# Altium PCB Copy of PCB1.PcbDoc (part 3 of 3) (continued)
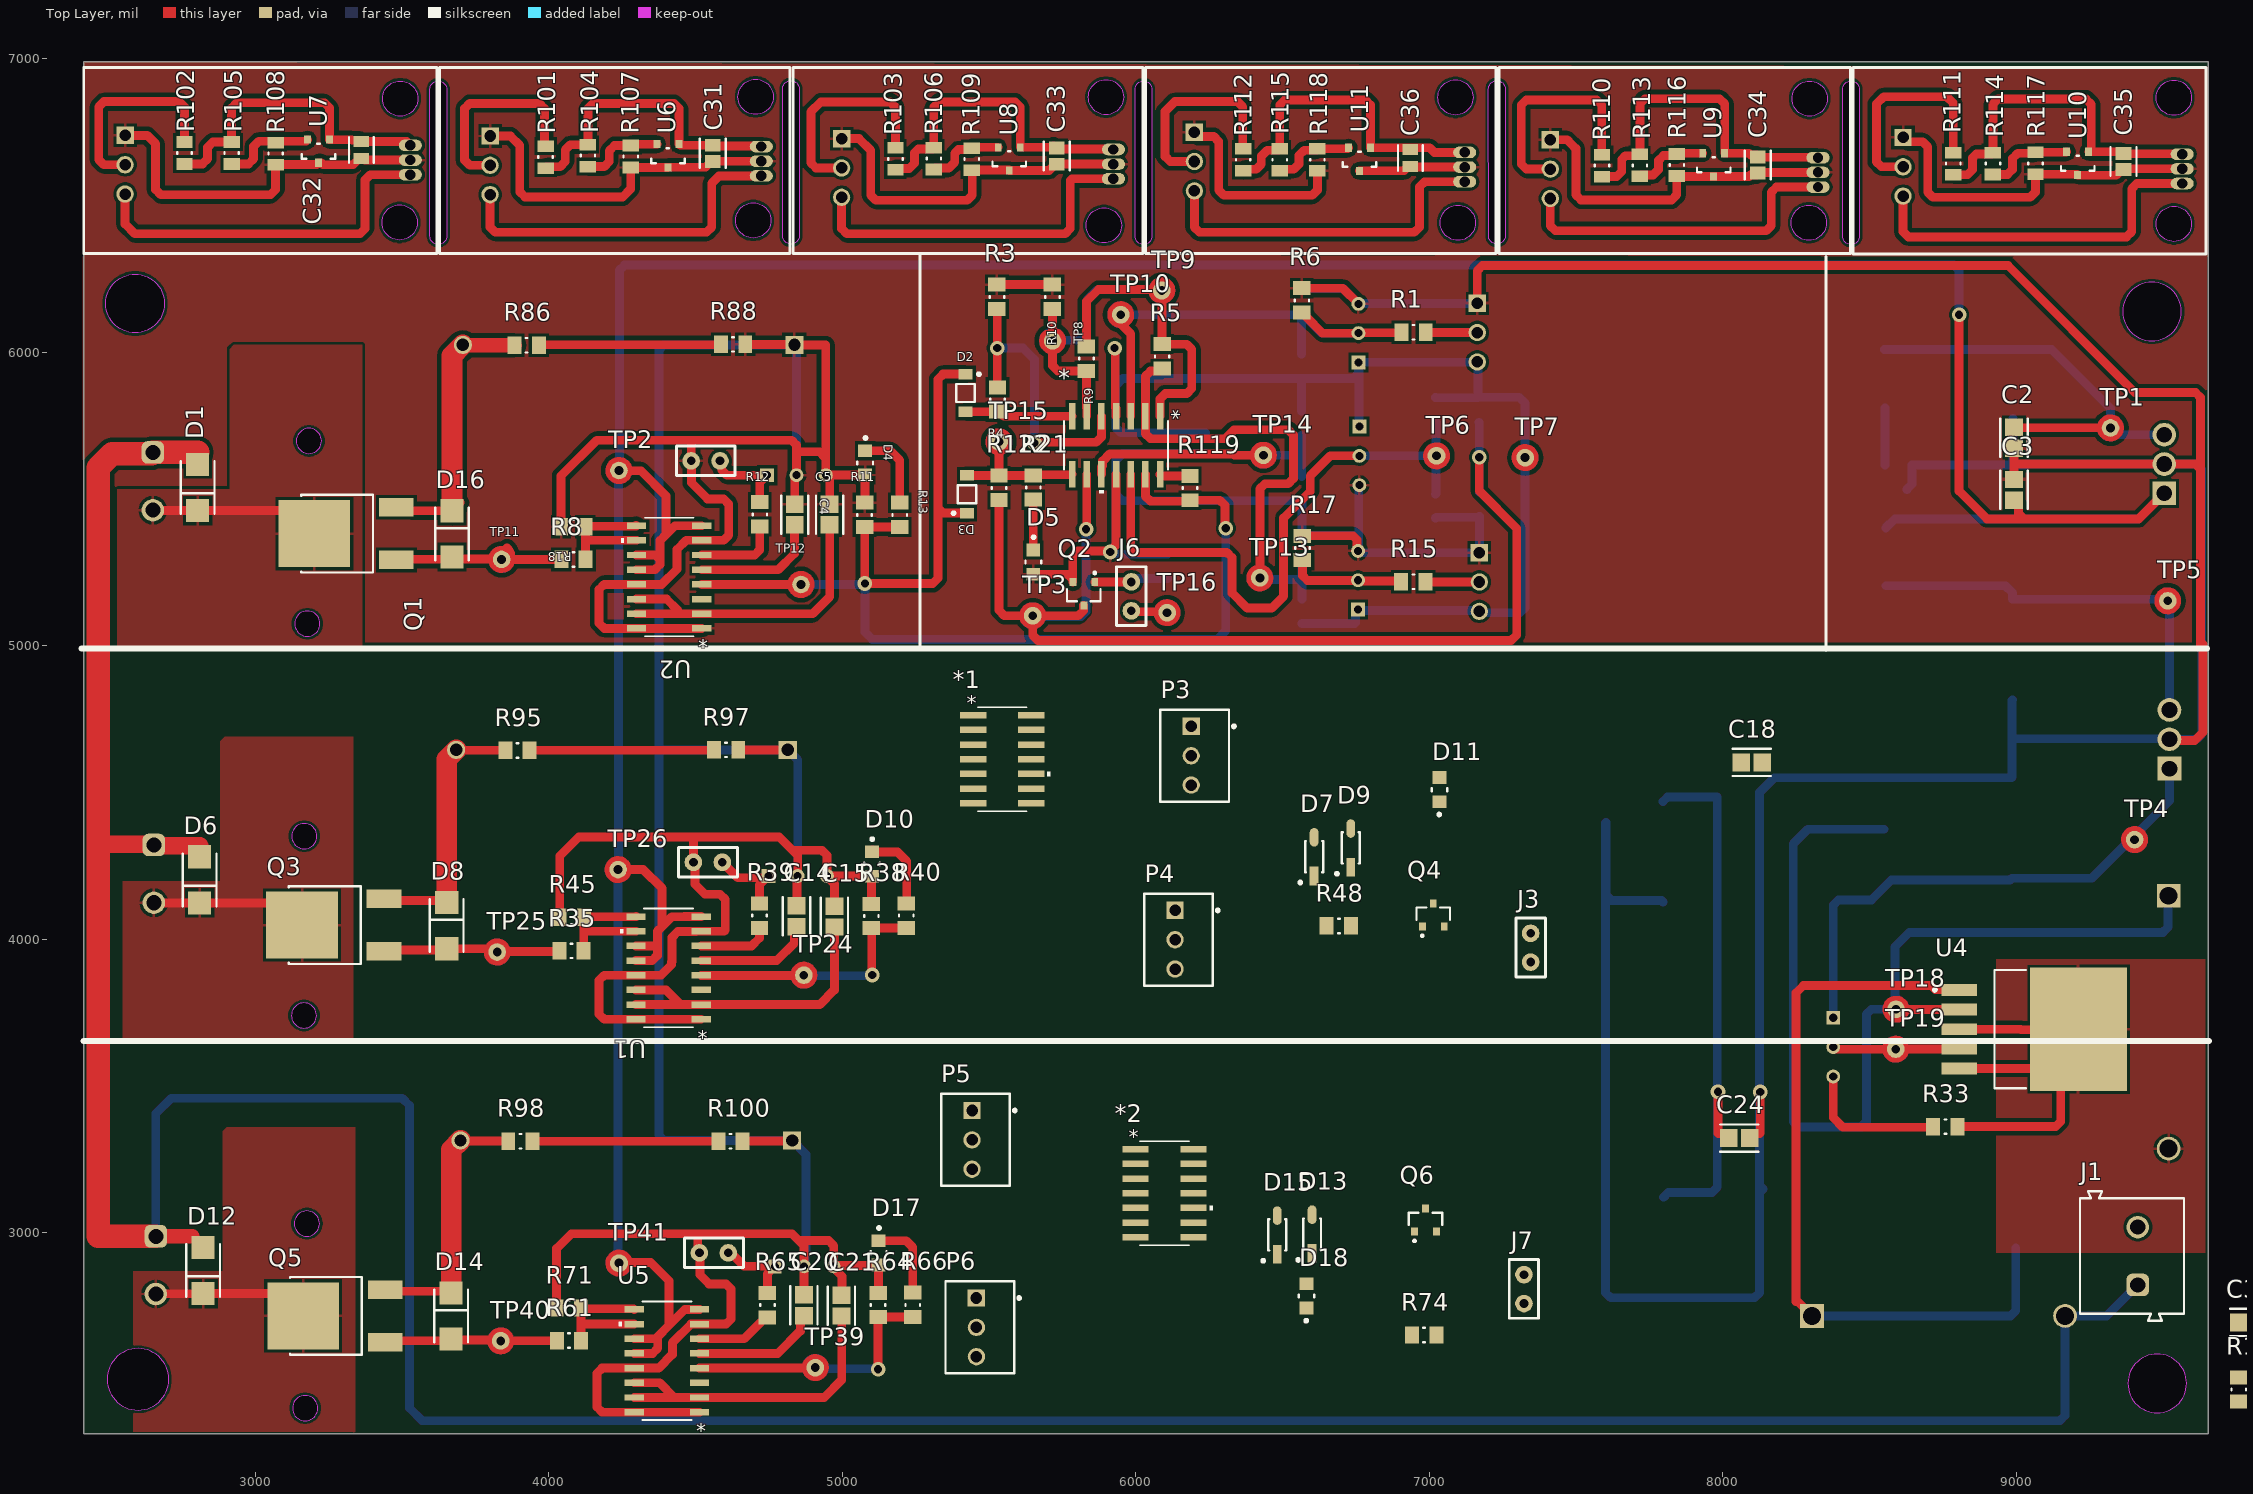
[diagram p0: Top Layer view]
## Nets (pads, with @x,y where several pads share a name; then routed paths per layer and width w, separated by ;. In a path a pad name is that pad's centre, name@x,y a point inside that pad or via, vN(x,y) a via of type N, cw(c..) or ccw(c..) an arc to the next point about the centre after c; other vN are vias at no path point) (continued)
  Top Layer w30: R101.1@3989,6627.56 3993.81,6632.38 4038.43,6632.38 4056,6649.95 4056,6689.86 4073.57,6707.44 R104.1@4133,6707.44 4133,6830.43 4150.57,6848 4426.43,6848 4444,6830.43 4444,6710 4448.41,6705.59 C31.2@4559,6705.59 4561.8,6702.79 4722.21,6702.79 HS1.1@4724,6701
NetC32_2: C32.2 HS2.1 R102.1 R105.1 U7.1 | length 1071.8
  Top Layer w30: R102.1@2758,6641.56 2819.43,6641.56 2837,6659.14 2837,6698.86 2854.57,6716.44 R105.1@2919,6716.44 2919,6832.43 2936.57,6850 3235.43,6850 3253,6832.43 3253,6724.97 U7.1@3252.4,6724.37 3327.63,6724.37 3329.77,6722.23 3357.3,6722.23 C32.2@3361,6718.53 3514.47,6718.53 HS2.1@3528,6705
NetC33_2: C33.2 HS3.1 R103.1 R106.1 U8.1 | length 1099.3
  Top Layer w30: R103.1@5181,6621.56 5185.81,6626.38 5228.43,6626.38 5246,6643.95 5246,6679.86 5258.76,6692.62 5307.19,6692.62 R106.1@5312,6697.44 5312,6835.43 5329.57,6853 5588.83,6853 5606.4,6835.43 U8.1@5606.4,6698.37 C33.2@5728.63,6698.37 ; C33.2@5719.3,6702.74 5726.05,6696 C33.2@5731,6696 5734.21,6692.79 5922.21,6692.79 HS3.1@5924,6691
NetC34_2: C34.2 HS4.1 R110.1 R113.1 U9.1 | length 1152.5
  Top Layer w30: R110.1@7589,6598.56 7638.43,6598.56 7656,6616.14 7656,6656.86 7668.76,6669.62 7713.19,6669.62 R113.1@7718,6674.44 7718,6846.43 7735.57,6864 7989.43,6864 8007,6846.43 U9.1@8007,6678 8090.73,6678 8096.39,6672.33 8113.26,6672.33 C34.2@8120,6665.59 8121.29,6664.29 8323.71,6664.29 HS4.1@8325,6663
NetC35_2: C35.2 HS5.1 R111.1 R114.1 U10.1 | length 1192.1
  Top Layer w30: R111.1@8786,6605 8834.43,6605 8852,6622.57 8852,6662.86 8864.76,6675.62 8916.19,6675.62 R114.1@8921,6680.44 8921,6845.43 8938.57,6863 9238.43,6863 9256,6845.43 9256,6691.97 U10.1@9247.4,6683.37 9360.22,6683.37 C35.2@9366,6677.59 9367.29,6676.29 9564.71,6676.29 HS5.1@9566,6675
NetC36_2: C36.2 HS6.1 R112.1 R115.1 U11.1 | length 1117.7
  Top Layer w30: R112.1@6366,6618.56 6370.81,6623.38 6410.43,6623.38 6428,6640.95 6428,6668.43 6448.2,6688.62 6486.19,6688.62 R115.1@6491,6693.44 6491,6842.43 6508.57,6860 6782.43,6860 6800,6842.43 U11.1@6800,6697 7001.82,6697 7017.82,6681 HS6.1@7121,6681
NetC37_2: C37.2 P8.4 R86.1 R88.1 | length 622.1
  Top Layer w30: R86.1@3965.74,6024 3967.24,6025.5 4585.13,6025.5 R88.1@4586.63,6027
NetC38_2: C38.2 P8.5 R95.1 R97.1 | length 628.7
  Top Layer w30: R95.1@3934.74,4643 3935.74,4644 4561.63,4644 R97.1@4562.63,4645
NetC39_2: C39.2 P8.6 R98.1 R100.1 | length 633.3
  Top Layer w30: R98.1@3944.37,3311 R100.1@4577.63,3311
NetCR1_1: CR1.1 L3.1 TP18.1 U4.2 | length 3490
  Top Layer w30: TP18.1@8591,3761 8591.5,3760.5 8621.92,3760.5 8806.19,3760.5 U4.2@8806.69,3760.01
  Bottom Layer w30: L3.1@8551,4374.43 8290.43,4374.43 8241,4325 8241,3377.57 8258.57,3360 8472.43,3360 8490,3377.57 8490,3743.43 8507.57,3761 8560.1,3761 TP18.1@8591,3761 ; 8604.02,3789.02 8587,3806.05 8587,3973 8637,4023 9500.43,4023 9518,4040.57 9518,4146 CR1.1@9520,4148
NetD1_1: D1.1 J4.2 Q1.4 | length 583.3
  Top Layer w30: J4.2@2650.69,5461.58 2651.35,5460.92 2802.34,5460.92 D1.1@2803,5460.26 3122.74,5460.26 Q1.4@3201,5382
NetD4_1: D4.1 R13.1 | length 276
  Top Layer w30: D4.1@5078,5664.34 5163.66,5664.34 5196,5632 R13.1@5196,5487.37
NetD5_1: D5.1 R21.1 | length 171.3
  Top Layer w30: D5.1@5651,5326.34 R21.1@5651,5497.63
NetD6_1: D6.1 J2.2 Q3.4 | length 536.5
  Top Layer w30: J2.2@2654,4124 2654.37,4123.63 2809.63,4123.63 D6.1@2810,4123.26 3083.74,4123.26 Q3.4@3159,4048
NetD8_1: D8.1 Q3.3 R95.2 R96.2 | length 938.5
  Top Layer w30: Q3.3@3438.13,4137.96 3444.74,4131.35 D8.1@3645.39,4131.35 ; D8.1@3652,4124.74 D8.1@3652,4155.24 ; R96.2@3684,4645 3685,4644 3851,4644 R95.2@3852,4643
  Top Layer w70: D8.1@3652,4129.11 3652,4613 R96.2@3684,4645
NetD8_2: D8.2 Q3.1 R35.1 TP25.1 | length 574.2
  Top Layer w30: Q3.1@3438.13,3958.04 3442.74,3962.65 3647.39,3962.65 D8.2@3652,3967.26 3795.2,3967.26 ; TP25.1@3824,3956 3826,3958 3854.86,3958 3854.93,3958 4033.63,3958 R35.1@4035.63,3960
NetD10_1: D10.1 R40.1 | length 278.2
  Top Layer w30: D10.1@5101,4297.34 5187.66,4297.34 5220,4265 5220,4123.37 R40.1@5218,4121.37 ; D10.1@5103,4302.62 D10.1@5103,4303.99
NetD11_1: D11.1 R48.1
NetD12_1: D12.1 J5.2 Q5.4 | length 534.8
  Top Layer w30: J5.2@2660.85,2790.42 J5.2@2660.69,2790.58 2661.52,2791.42 2821.16,2791.42 D12.1@2822,2792.26 3086.74,2792.26 Q5.4@3163,2716
NetD14_1: D14.1 Q5.3 R98.2 R99.2 | length 955.6
  Top Layer w30: Q5.3@3442.13,2805.96 3447.74,2800.35 3661.39,2800.35 D14.1@3667,2794.74 D14.1@3667,2828.81 ; R99.2@3699,3314 3700.5,3312.5 3860.13,3312.5 R98.2@3861.63,3311
  Top Layer w70: D14.1@3667,2799.11 3667,3282 R99.2@3699,3314
NetD14_2: D14.2 Q5.1 R61.1 TP40.1 | length 560.7
  Top Layer w30: Q5.1@3442.13,2626.04 3447.74,2631.65 3661.39,2631.65 D14.2@3667,2637.26 3670.13,2634.13 3805.23,2634.13 ; v1(3836,2631) 3836.5,2631.5 3866.92,2631.5 4026.76,2631.5 R61.1@4027.26,2632
NetD16_1: D16.1 Q1.3 R86.2 R87.2 | length 992.1
  Top Layer w30: Q1.3@3480.13,5471.96 3488.74,5463.35 Q1.3@3529.26,5463.35 ; Q1.3@3529.26,5459.74 D16.1@3670,5459.74 D16.1@3698,5487.74 ; R87.2@3705.94,6024 R87.2@3707,6025
  Top Layer w50: R87.2@3705.94,6024 R86.2@3883,6024
  Top Layer w70: D16.1@3670,5459.74 3670,5988 R87.2@3707,6025
NetD16_2: D16.2 Q1.1 R8.1 TP11.1 | length 534.4
  Top Layer w30: Q1.1@3480.13,5292.04 3482.74,5294.65 3667.39,5294.65 3670,5297.26 3671.63,5295.63 3808.12,5295.63 ; TP11.1@3839,5294 3867.25,5294 3870.75,5294 R8.1@4042.63,5294
NetD17_1: D17.1 R66.1 | length 279.9
  Top Layer w30: D17.1@5124,2972.34 5217.66,2972.34 5240,2950 R66.1@5240,2795.37
NetD18_1: D18.1 R74.1
NetD19_2: D19.2 P7.4
NetD20_2: D20.2 P7.5
NetD21_2: D21.2 P7.6
NetHS1_3: HS1.3 P9.3 | length 1208.8
  Top Layer w30: P9.3@3799.81,6537 3799.81,6426.57 3817.38,6409 4537.43,6409 4555,6426.57 4555,6575.7 4580.3,6601 HS1.3@4724,6601
NetHS2_3: HS2.3 P10.3 | length 1268.1
  Top Layer w30: P10.3@2556,6539 2556,6437 2589,6404 3356.43,6404 3374,6421.57 3374,6587.43 3391.57,6605 HS2.3@3528,6605
NetHS3_3: HS3.3 P11.3 | length 1213.2
  Top Layer w30: P11.3@4997.81,6528 4997.81,6421.57 5015.38,6404 5759.43,6404 5777,6421.57 5777,6585.12 5782.88,6591 HS3.3@5924,6591
NetHS4_3: HS4.3 P12.3 | length 1140.3
  Top Layer w30: P12.3@7412.81,6524 7412.81,6431.57 7430.38,6414 8148.43,6414 8166,6431.57 8166,6545.43 8183.57,6563 HS4.3@8325,6563
NetHS5_3: HS5.3 P13.3 | length 1241.1
  Top Layer w30: P13.3@8615,6532 8615,6410.57 8632.57,6393 9376.43,6393 9394,6410.57 9394,6557.43 9411.57,6575 HS5.3@9566,6575
NetHS6_3: HS6.3 P14.3 | length 1203.3
  Top Layer w30: P14.3@6199.81,6550 6199.81,6426.57 6217.38,6409 6949.43,6409 6967,6426.57 6967,6563.43 6984.57,6581 HS6.3@7121,6581
NetJ3_2: J3.2 Q4.1 R52.2
NetJ6_2: J6.2 Q2.1 R25.2 | length 256
  Top Layer w30: Q2.1@5860.4,5216.37 5861.46,5217.43 J6.2@5985,5217.43 J6.2@5983.37,5219.06
  Bottom Layer w30: J6.2@5985,5217.43 5993.12,5217.43 6004.32,5228.63 R25.2@6109,5228.63
NetJ7_2: J7.2 Q6.1 R78.2
NetJ8_2: J8.2 R12.2 RP3.1 | length 298.3
  Top Layer w30: J8.2@4583.43,5630 4589.17,5624.26 4589.17,5598.57 4606.74,5581 RP3.1@4744,5581 4719,5556 R12.2@4719,5489
NetJ9_2: J9.2 R39.2 RP8.1 | length 279
  Top Layer w30: J9.2@4591,4262 4591.07,4262 4644.07,4209 RP8.1@4741.8,4209 ; R39.2@4718,4121.37 4718,4185.2 RP8.1@4741.8,4209 ; RP8.1@4748,4215.2 RP8.1@4741.8,4209
NetJ10_2: J10.2 R65.2 RP12.1 | length 279.2
  Top Layer w30: J10.2@4611.43,2931 4619.54,2931 4665.54,2885 RP12.1@4770,2885 4745,2860 R65.2@4745,2793.74
NetP1_2: P1.2 R1.1 | length 175.9
  Top Layer w30: R1.1@6988.37,6068 6988.87,6067.5 7163.31,6067.5 P1.2@7163.81,6067
NetP2_2: P2.2 R15.1 | length 184
  Top Layer w30: R15.1@6987.37,5218 6987.87,5217.5 7170.5,5217.5 P2.2@7171,5217
NetP3_2: P3.2 R28.1
NetP4_2: P4.2 R42.1
NetP5_2: P5.2 R55.1
NetP6_2: P6.2 R68.1
NetP9_2: P9.2 R101.2 | length 686.1
  Top Layer w30: P9.2@3799.81,6637 3730.57,6637 3713,6654.57 3713,6830.43 3730.57,6848 3967.43,6848 3985,6830.43 3985,6706.44 R101.2@3989,6702.44
NetP10_2: P10.2 R102.2 | length 703.7
  Top Layer w30: P10.2@2556,6639 2483.57,6639 2466,6656.57 2466,6836.43 2483.57,6854 2740.43,6854 2758,6836.43 R102.2@2758,6716.44
NetP11_2: P11.2 R103.2 | length 732.9
  Top Layer w30: P11.2@4997.81,6628 4910.57,6628 4893,6645.57 4893,6819 4927,6853 5163.43,6853 5181,6835.43 R103.2@5181,6697.44
NetP12_2: P12.2 R110.2 | length 764.9
  Top Layer w30: P12.2@7412.81,6624 7331.57,6624 7314,6641.57 7314,6842.43 7331.57,6860 7570.43,6860 7588,6842.43 7588,6674.44 R110.2@7589,6673.44
NetP13_2: P13.2 R111.2 | length 745.6
  Top Layer w30: P13.2@8615,6632 8541.57,6632 8524,6649.57 8524,6846 8549,6871 8764.43,6871 8786,6849.43 R111.2@8786,6679.87
NetP14_2: P14.2 R112.2 | length 689.9
  Top Layer w30: P14.2@6199.81,6650 6117.57,6650 6100,6667.57 6100,6821 6133,6854 6347.43,6854 6365,6836.43 6365,6694.44 R112.2@6366,6693.44
NetR8_2: R8.2 R18.2 U2.9 U2.10 | length 463.9
  Top Layer w30: R8.2@4125.37,5294 4124.87,5294.5 4124.87,5358 ; U2.9@4297.25,5410.5 U2.9@4298.75,5409 4296.75,5407 4126.37,5407 R18.2@4124.37,5405 4124.87,5404.5 4124.87,5358 ; U2.10@4298.75,5359 4125.87,5359 4124.87,5358
NetR12_1: R12.1 U2.6 | length 284.7
  Top Layer w30: U2.6@4521.25,5309 4701.43,5309 4719,5326.57 R12.1@4719,5406.26
NetR33_2: R33.2 RP5.3 | length 503.6
  Top Layer w30: RP5.3@8377,3532 8377,3392 8410,3359 8715.63,3359 R33.2@8717.63,3361 R33.2@8711.63,3367
NetR35_2: R35.2 R45.2 U1.9 U1.10 | length 471.2
  Top Layer w30: R35.2@4118.37,3960 4119.19,3960.81 4119.19,4026 ; U1.10@4296.75,4027 4120.19,4027 4119.19,4026 ; U1.9@4296.75,4077 4295.75,4076 4121,4076 R45.2@4120,4075 4119.19,4074.19 4119.19,4026
NetR39_1: R39.1 U1.6 | length 244.6
  Top Layer w30: U1.6@4519.25,3977 4691,3977 4718,4004 R39.1@4718,4038.63
NetR61_2: R61.2 R71.2 U5.9 U5.10 | length 476.5
  Top Layer w30: R71.2@4109,2743 R71.2@4109.5,2742.5 ; R61.2@4110,2632 4109.5,2632.5 4109.5,2687.5 ; U5.10@4291,2688 4110,2688 4109.5,2687.5 ; U5.9@4291,2738 4288.5,2740.5 4111.5,2740.5 R71.2@4109.5,2742.5 ; 4109.5,2687.5 R71.2@4109.5,2742.5
NetR65_1: R65.1 U5.6 | length 261.7
  Top Layer w30: U5.6@4513.5,2638 4666.06,2638 4739.06,2711 R65.1@4745,2711
NetR104_2: R104.2 R107.1 U6.2 | length 288.4
  Top Layer w30: R104.2@4133,6632.56 4188.43,6632.56 4206,6650.14 4206,6686.86 4223.57,6704.44 R107.1@4279,6704.44 4283.56,6709 U6.2@4368.2,6709
NetR105_2: R105.2 R108.1 U7.2 | length 317.8
  Top Layer w30: R105.2@2919,6641.56 2976.43,6641.56 2994,6659.14 2994,6701.67 3011.57,6719.25 3172.48,6719.25 U7.2@3177.6,6724.37
NetR106_2: R106.2 R109.1 U8.2 | length 268.5
  Top Layer w30: R106.2@5312,6622.56 5316.81,6627.38 5362.38,6627.38 5383,6648 5383,6677.86 5395.76,6690.62 5436.19,6690.62 R109.1@5441,6695.44 5443.93,6698.37 U8.2@5531.6,6698.37
NetR113_2: R113.2 R116.1 U9.2 | length 264.9
  Top Layer w30: R113.2@7718,6599.56 7722.81,6604.38 7763.43,6604.38 7781,6621.95 7781,6653.05 7798.57,6670.62 7839.19,6670.62 R116.1@7844,6675.44 7846.56,6678 U9.2@7932.2,6678
NetR114_2: R114.2 R117.1 U10.2 | length 305.7
  Top Layer w30: R114.2@8921,6605.56 8970.43,6605.56 8988,6623.14 8988,6660.43 9005.57,6678 9062.56,6678 R117.1@9066,6681.44 9170.66,6681.44 U10.2@9172.6,6683.37
NetR115_2: R115.2 R118.1 U11.2 | length 284
  Top Layer w30: R115.2@6491,6618.56 6495.81,6623.38 6538.43,6623.38 6556,6640.95 6556,6670.43 6574.2,6688.62 6614.19,6688.62 R118.1@6619,6693.44 6721.63,6693.44 U11.2@6725.2,6697
NetRP5_2: RP5.2 TP19.1 U4.4 | length 401.9
  Top Layer w30: RP5.2@8377,3632 8381.67,3632 8388.67,3625 8559.07,3625 8575,3625 TP19.1@8590,3625 ; 8620.92,3625.5 8806.19,3625.5 U4.4@8806.69,3625.99
VCC: CR2.2 D1.2 D6.2 D12.2 J1.1 J2.1 J4.1 J5.1 R91.2 | length 15870.5
  Top Layer w30: 2447,3005.01 2464.57,2987.43 ; 2447,4306.43 2464.57,4324 ; J2.1@2650.85,4324 J2.1@2654,4320.85 ; D12.2@2784.31,2987.43 D12.2@2822,2949.74 ; D1.2@2803,5617.74 2803,5658.43 ; D6.2@2810,4280.74 D6.2@2810,4318.53
  Top Layer w50: J5.1@2660.69,2987.43 D12.2@2784.31,2987.43
  Top Layer w60: 2464.57,4324 J2.1@2650.85,4324 ; J4.1@2646.25,5654 J4.1@2650.69,5658.43 ; J2.1@2656.32,4318.53 D6.2@2810,4318.53
  Top Layer w80: J4.1@2646.25,5654 2511.44,5654 2464.57,5607.14 2464.57,4324 2464.57,2987.43 J5.1@2660.69,2987.43 ; J4.1@2650.69,5658.43 2803,5658.43
  Bottom Layer w30: 2458.57,4320.85 2446,4308.28 2446,3005.01 2463.57,2987.43 J5.1@2660.69,2987.43 2660.69,3405.69 2713,3458 3500,3458 3525,3433 3525,2402 3568,2359 9149.43,2359 9167,2376.57 CR2.2@9167,2716 9309,2716 J1.1@9415,2822 ; J2.1@2654,4320.85 2649.85,4325 2461.57,4325 2444,4342.57 2444,5582 2520.43,5658.43 J4.1@2650.69,5658.43 2653.25,5661 2786.43,5661 2804,5678.57
pads on no net: *1.14 U1.3 U2.3 U5.3

## Polygon pours and split planes (outlines as drawn)
GND on Top Layer "GND_L01_P011" (solid, pour order 11): 2426,6340 2411,6325 2411,5011 9629,5011 9644,4996 9651.46,5003.46 9651.46,6324.01
GND on Top Layer "GND_L01_P009" (solid, pour order 9): 2415,6990 2415,6343 9655,6324 9655,6973.46
GND on Top Layer "GND_L01_P006" (solid, pour order 6): 8933,2930.4 8933,3932 9644.59,3932 9644.59,2930.4
NetD6_1 on Top Layer "NETD6_1_L01_P004" (solid, pour order 4): 2548,4197.26 2548,3650 3326,3650 3331,3645 3333,3647 3333,4689 2895,4689 2881,4675 2881,4199
NetD12_1 on Top Layer "NETD12_1_L01_P002" (solid, pour order 2): 2584,2867.87 2584,2320.46 3333,2320.46 3338,2315.46 3340,2317.46 3340,3359.46 2902,3359.46 2888,3345.46 2888,2869.46
NetD1_1 on Top Layer "NETD1_1_L01_P000" (solid, pour order 0): 2530,5533 2530,4986 3357,4986 3362,4981 3364,4983 3364,6025 2926,6025 2912,6011 2912,5535
GND on Bottom Layer "GND_L02_P012" (solid, pour order 12): 2418,6332 2403,6317 2403,5003 9621,5003 9636,4988 9643.46,4995.46 9643.46,6316.01
GND on Bottom Layer "GND_L02_P010" (solid, pour order 10): 2415,6999.05 2415,6338 9655,6338 9655,6990
GND on Bottom Layer "GND_L02_P007" (solid, pour order 7): 8928,2928.4 8928,3930 9642.59,3930 9642.59,2928.4
NetD6_1 on Bottom Layer "NETD6_1_L02_P001" (solid, pour order 1): 2546,4197.23 2546,3650 3329,3650 3334,3645 3336,3647 3336,4689 2898,4689 2884,4675 2884,4199
no net on Bottom Layer "NONET_L02_P005" (solid, pour order 5): 2575,2867.82 2575,2320.46 3334,2320.46 3339,2315.46 3341,2317.46 3341,3359.46 2903,3359.46 2889,3345.46 2889,2869.46
no net on Bottom Layer "NONET_L02_P003" (solid, pour order 3): 2535,5535 2535,4988 3362,4988 3367,4983 3369,4985 3369,6027 2931,6027 2917,6013 2917,5537

## Silkscreen, mask and mechanical layers (free items; w line width, h text height)
Top Overlay:
  lines w10: 5265,4993.89 5265,6336.89 ; 8352,4983.89 8352,6326.89 ; 2415,6336 3618,6336 3618,6970 2415,6970 2415,6336 ; 3628,6336 4821,6336 4821,6970 3628,6970 3628,6336 ; 4832,6337 6024,6337 6024,6970 4832,6970 4832,6337 ; 6034,6336 7227,6336 7227,6970 6034,6970 6034,6336 ; 7238,6337 8435,6337 8435,6971 7238,6971 7238,6337 ; 8445,6335 9648,6335 9648,6971 8445,6971 8445,6335
  lines w20: 2408,4991 9651,4991 ; 2414,3653 9657,3653
Top Solder:
  circle w80: c9463,6139 r120
  circle w80: c9482,2487 r120
  circle w80: c2592,6166 r120
  circle w80: c2599,2498 r120
  rectangle: 2889,2321 3339,3362
  rectangle: 2911,4991 3362,6032
  rectangle: 2881,3646 3332,4687
  rectangle: 2882,4485 2885,4488
Bottom Solder:
  circle w80: c2591,6163 r120
  circle w80: c9466,6138 r120
  circle w80: c2597,2498 r120
  circle w80: c9481,2490 r120
  rectangle: 2890,2317 3341,3358
  rectangle: 2884,3649 3335,4690
  rectangle: 2915,5000 3366,6041
Mechanical 1:
  circle w10: c9537.59,6437.32 r60
  circle w10: c9537.59,6867.32 r60
  circle w10: c8293.59,6441.32 r60
  circle w10: c8296.59,6864.32 r60
  circle w10: c7097.59,6441.32 r60
  circle w10: c7089.59,6868.32 r60
  circle w10: c5891.59,6432.32 r60
  circle w10: c5898.59,6869.32 r60
  circle w10: c4696.59,6449.32 r60
  circle w10: c4704.59,6870.32 r60
  circle w10: c3491.59,6442.32 r60
  circle w10: c3493.59,6864.32 r60
  circle w10: c9463,6139 r100
  circle w10: c9481,2486 r100
  circle w10: c3175,3030 r43.01
  circle w10: c3169,2401 r43.01
  circle w10: c3165,3739 r43.01
  circle w10: c3166,4350 r43.01
  circle w10: c2590,6166 r100
  circle w10: c2600,2500 r100
  circle w10: c3177,5075 r43.01
  circle w10: c3182,5697 r43.01
  pour cut-out: 3594.72,6395.79 3594.68,6896.02 cw(c3623.15,6896.02) 3651.62,6895.93 3651.67,6395.79 cw(c3623.19,6395.79)
  pour cut-out: 3131.99,3030 ccw(c3175,3030) 3175,2986.99 ccw(c3175,3030) 3218.01,3030 ccw(c3175,3030) 3175,3073.01 ccw(c3175,3030)
  pour cut-out: 3125.99,2401 ccw(c3169,2401) 3169,2357.99 ccw(c3169,2401) 3212.01,2401 ccw(c3169,2401) 3169,2444.01 ccw(c3169,2401)
  pour cut-out: 3121.99,3739 ccw(c3165,3739) 3165,3695.99 ccw(c3165,3739) 3208.01,3739 ccw(c3165,3739) 3165,3782.01 ccw(c3165,3739)
  pour cut-out: 3122.99,4350 ccw(c3166,4350) 3166,4306.99 ccw(c3166,4350) 3209.01,4350 ccw(c3166,4350) 3166,4393.01 ccw(c3166,4350)
  pour cut-out: 3138.99,5697 ccw(c3182,5697) 3182,5653.99 ccw(c3182,5697) 3225.01,5697 ccw(c3182,5697) 3182,5740.01 ccw(c3182,5697)
  lines w0.5: 3594.72,6395.79 ccw(c3623.19,6395.79) 3651.67,6395.79 3651.62,6895.93 ccw(c3623.15,6896.02) 3594.68,6896.02 3594.72,6395.79
  lines w10: 2415,2315 9655,2315 ; 2415,2315 2415,6990 9655,6990 9655,2315 ; 2415,2315 9655,2315 ; 2415,2315 2415,6981 9655,6981 9655,2315
Top Courtyard:
  drawing of 216 lines, arcs and shapes, not listed
  text "J4" at 2660.52,5609.2 h59.06 r90
  text "J2" at 2663.83,4271.61 h59.06 r90
  text "J1" at 9395.33,3136.9 h59.06 r270
  text "J5" at 2670.52,2938.2 h59.06 r90
Top 3D Body:
  drawing of 1222 lines, arcs and shapes, not listed
  text "R88" at 4628,6027.44 h39.37
  text "R86" at 3924.37,6023.56 h39.37 r180
  text "C2" at 8993.44,5708.54 h39.37 r270
  text "D4" at 5070.59,5623 h39.37 r270
  text "RG1" at 9526.26,5619 h39.37 r180
  text "RP3" at 4837.03,5580.8 h39.37 r270
  text "D1" at 2803,5539 h39.37 r90
  text "C3" at 8992.56,5531 h39.37 r90
  text "R12" at 4719,5447.63 h39.37 r90
  text "C4" at 4838.44,5447 h39.37 r270
  text "C5" at 4956.56,5447 h39.37 r90
  text "R11" at 5076,5446 h39.37 r90
  text "R13" at 5196.44,5446 h39.37 r270
  text "R18" at 4083,5405.44 h39.37
  text "Q1" at 3314.52,5382 h39.37 r90
  text "D16" at 3670,5381 h39.37 r270
  text "R8" at 4084,5294.44 h39.37
  text "U3" at 9544,4681 h39.37 r180
  text "R97" at 4604,4645.44 h39.37
  text "R95" at 3893.37,4642.56 h39.37 r180
  text "D10" at 5094.03,4256 h39.37 r270
  text "RP8" at 4841.03,4215 h39.37 r270
  text "D6" at 2810,4202 h39.37 r90
  text "R39" at 4717.56,4080 h39.37 r90
  text "R40" at 5218.44,4080 h39.37 r270
  text "R38" at 5098.56,4079 h39.37 r90
  text "C14" at 4844.44,4078 h39.37 r270
  text "C15" at 4972.56,4077 h39.37 r90
  text "R45" at 4078.63,4075.44 h39.37
  text "Q3" at 3272.52,4048 h39.37 r90
  text "D8" at 3652,4046 h39.37 r270
  text "R35" at 4077,3960.44 h39.37
  text "U4" at 9062,3693 h39.37 r270
  text "RP5" at 8376.8,3638.97 h39.37 r180
  text "R33" at 8759,3360.56 h39.37 r180
  text "R98" at 3903,3310.56 h39.37 r180
  text "R100" at 4619,3311.44 h39.37
  text "D17" at 5116.59,2931 h39.37 r270
  text "RP12" at 4862.59,2884.8 h39.37 r270
  text "D12" at 2822,2871 h39.37 r90
  text "R66" at 5240.44,2754 h39.37 r270
  text "C20" at 4869.44,2752.54 h39.37 r270
  text "R64" at 5121.56,2753 h39.37 r90
  text "R65" at 4744.56,2752.37 h39.37 r90
  text "C21" at 4996.56,2751 h39.37 r90
  text "R71" at 4067.63,2743 h39.37
  text "Q5" at 3276.52,2716 h39.37 r90
  text "D14" at 3667,2716 h39.37 r270
  text "R61" at 4068.63,2632.44 h39.37
Bottom 3D Body:
  drawing of 452 lines, arcs and shapes, not listed
  text "*" at 4486,5090 h50 r180
  text "*" at 4484,3758 h50 r180
  text "*" at 4478.25,2419 h50 r180
Top Assembly:
  drawing of 157 lines, arcs and shapes, not listed
  text "R88" at 4549,6110 h60
  text "R86" at 3846,6107 h60
  text "C2" at 8949,5827 h60
  text "TP1" at 9286,5818 h60
  text "D1" at 2822.99,5704.01 h60 r90
  text "D4" at 5141,5686.33 h30 r270
  text "TP2" at 4203,5673 h60
  text "C3" at 8949,5650 h60
  text "R12" at 4671,5561 h30
  text "C5" at 4908,5561 h30
  text "R11" at 5028,5560 h30
  text "D16" at 3615,5537 h60
  text "R13" at 5261,5529.49 h30 r270
  text "C4" at 4923,5500.99 h30 r270
  text "R8" at 4005,5377 h60
  text "TP11" at 3798,5373 h30
  text "R18" at 4077.49,5318 h30 r180
  text "TP12" at 4773.81,5316.5 h30
  text "TP5" at 9482.5,5228.5 h60
  text "Q1" at 3566.83,5050.01 h60 r90
  text "*" at 4543.75,5042 h50 r180
  text "U2" at 4486.98,4948.99 h60 r180
  text "R97" at 4525,4728 h60
  text "R95" at 3815,4726 h60
  text "TP4" at 9368,4415 h60
  text "D10" at 5077,4380 h60
  text "D6" at 2755,4358 h60
  text "TP26" at 4200,4313 h60
  text "Q3" at 3039,4218 h60
  text "D8" at 3597,4202 h60
  text "R39" at 4675,4199 h60
  text "R40" at 5175,4199 h60
  text "R38" at 5056,4198 h60
  text "C14" at 4800,4197 h60
  text "C15" at 4929,4196 h60
  text "R45" at 4000,4158 h60
  text "R35" at 3998,4043 h60
  text "TP25" at 3788,4032 h60
  text "TP24" at 4833,3953 h60
  text "U4" at 8724,3941 h60
  text "TP18" at 8555,3837 h60
  text "*" at 4541.75,3710 h50 r180
  text "TP19" at 8554,3701 h60
  text "U1" at 4331.99,3652.99 h60 r180
  text "R33" at 8680,3444 h60
  text "R98" at 3824,3394 h60
  text "R100" at 4540,3394 h60
  text "D17" at 5100,3055 h60
  text "D12" at 2767,3027 h60
  text "TP41" at 4203,2972 h60
  text "Q5" at 3043,2886 h60
  text "R66" at 5197,2873 h60
  text "D14" at 3612,2872 h60
  text "R64" at 5079,2872 h60
  text "R65" at 4702,2871 h60
  text "C20" at 4825,2871 h60
  text "C21" at 4953,2870 h60
  text "R71" at 3989,2826 h60
  text "U5" at 4233,2825 h60
  text "R61" at 3990,2715 h60
  text "TP40" at 3800,2707 h60
  text "TP39" at 4872,2616 h60
  text "*" at 4536,2371 h50 r180
Bottom Assembly:
  drawing of 436 lines, arcs and shapes, not listed
Mechanical 8:
  drawing of 337 lines, arcs and shapes, not listed
Mechanical 9:
  region: 8665.17,5606.16 8625.8,5606.16 8625.8,5625.84 8665.17,5625.84
  region: 8570.68,5606.16 8531.32,5606.16 8531.32,5625.84 8570.68,5625.84
  region: 8950.63,5512.45 9029.37,5512.45 9029.37,5351.03 8950.63,5351.03
  region: 8950.63,5854.97 9029.37,5854.97 9029.37,5693.55 8950.63,5693.55
  region: 9027.37,5077.55 8948.63,5077.55 8948.63,5238.97 9027.37,5238.97
  region: 9027.37,4896.45 9027.37,4735.03 8948.63,4735.03 8948.63,4896.45
  region: 8945.63,4288.19 9024.37,4288.19 9024.37,4126.77 8945.63,4126.77
  region: 8945.63,4630.71 9024.37,4630.71 9024.37,4469.29 8945.63,4469.29
  region: 8403.36,5753.52 8403.36,5871.63 8698.64,5871.63 8698.64,5753.52
  region: 8403.36,5950.37 8403.36,6068.48 8698.64,6068.48 8698.64,5950.37
  region: 8703.64,5460.48 8703.64,5342.37 8408.36,5342.37 8408.36,5460.48
  region: 8703.64,5263.63 8703.64,5145.52 8408.36,5145.52 8408.36,5263.63
  region: 8403.36,4315.37 8403.36,4433.48 8698.64,4433.48 8698.64,4315.37
  region: 8403.36,4118.52 8403.36,4236.63 8698.64,4236.63 8698.64,4118.52
  region: 8956.63,3155.97 9035.37,3155.97 9035.37,2994.55 8956.63,2994.55
  lines w0.5: 3528,4325 4970,4325 4970,4965 3528,4965 3528,4325 ; 3543,2994 4985,2994 4985,3634 3543,3634 3543,2994 ; 3551,5705 4993,5705 4993,6345 3551,6345 3551,5705 ; 9400.5,3230.5 9400.5,4203.5 9639.5,4203.5 9639.5,3230.5 9400.5,3230.5
Mechanical 10:
  drawing of 433 lines, arcs and shapes, not listed
Mechanical 11:
  drawing of 78 lines, arcs and shapes, not listed
Mechanical 12:
  circle w0.5: c2654,4320.85 r25.59
  circle w0.5: c2654,4124 r25.59
  circle w0.5: c2650.69,5658.43 r25.59
  circle w0.5: c2650.69,5461.58 r25.59
  circle w0.5: c2660.69,2987.43 r25.59
  circle w0.5: c2660.69,2790.58 r25.59
  circle w0.5: c9505,5719 r26.57
  circle w0.5: c9505,5619 r26.57
  circle w0.5: c9505,5519.2 r26.57
  circle w0.5: c4744,5581 r13.78
  circle w0.5: c4844,5581 r13.78
  circle w0.5: c4944,5581 r13.78
  circle w0.5: c8377,3732 r13.78
  circle w0.5: c8377,3632 r13.78
  circle w0.5: c8377,3532 r13.78
  circle w0.5: c4948,4215.2 r13.78
  circle w0.5: c4848,4215.2 r13.78
  circle w0.5: c4748,4215.2 r13.78
  circle w0.5: c4770,2885 r13.78
  circle w0.5: c4870,2885 r13.78
  circle w0.5: c4970,2885 r13.78
  circle w0.5: c9322,5742 r15
  circle w0.5: c4239,5597 r15
  circle w0.5: c9404,4339 r15
  circle w0.5: c9519,5152 r15
  circle w0.5: c3839,5294 r15
  circle w0.5: c4859.29,5208.5 r15
  circle w0.5: c8591,3761 r15
  circle w0.5: c8590,3625 r15
  circle w0.5: c4869,3877 r15
  circle w0.5: c3824,3956 r15
  circle w0.5: c4236,4237 r15
  circle w0.5: c9522.74,4581.2 r26.57
  circle w0.5: c9522.74,4681 r26.57
  circle w0.5: c9522.74,4781 r26.57
  circle w0.5: c9520,4148 r30.5
  circle w0.5: c9520,3286 r30.5
  circle w0.5: c4908,2540 r15
  circle w0.5: c3836,2631 r15
  circle w0.5: c4239,2896 r15
  circle w0.5: c3684,4645 r21
  circle w0.5: c4814,4645 r21
  circle w0.5: c3699,3314 r21
  circle w0.5: c4829,3314 r21
  circle w0.5: c3707,6025 r21
  circle w0.5: c4837,6025 r21
  circle w0.5: c4583.43,5630 r15
  circle w0.5: c4485,5630 r15
  circle w0.5: c4591,4262 r15
  circle w0.5: c4492.57,4262 r15
  circle w0.5: c4611.43,2931 r15
  circle w0.5: c4513,2931 r15
  circle w0.5: c9415,3018.85 r25.59
Mechanical 13:
  circle w0.5: c4908,2540 r14
  circle w0.5: c3836,2631 r14
  circle w0.5: c4239,2896 r14
  circle w0.5: c5102,3878 r14
  circle w0.5: c5077,5212 r14
  circle w0.5: c5122,2534 r14
Mechanical 14:
  drawing of 161 lines, arcs and shapes, not listed
  text "L1" at 8693,6129 h60
  text "C6" at 9224,5926 h60
  text "R87" at 3521,5875 h60 r90
  text "RG1" at 9617,5867 h60
  text "J4" at 2555,5819 h60
  text "Z1" at 8610,5692 h60
  text "J8" at 4670.43,5575 h60 r270
  text "L2" at 8698,5521 h60
  text "RP3" at 4884.03,5442.99 h60 r180
  text "C7" at 9222,5310 h60
  text "U3" at 9634,4929 h60
  text "C11" at 9219,4702 h60
  text "R96" at 3498,4495 h60 r90
  text "L3" at 8693,4494 h60
  text "J2" at 2558,4482 h60
  text "RP8" at 4818,4351 h60
  text "J9" at 4678,4207 h60 r270
  text "RP5" at 8472,3862 h60
  text "C12" at 9230,3227 h60
  text "CR1" at 9490,3201 h60 r180
  text "J1" at 9611,3180 h60
  text "R99" at 3513,3164 h60 r90
  text "RP12" at 4890,3020 h60
  text "J10" at 4698,2826 h60 r270
  text "J5" at 2456.99,2690.98 h60 r90

## Dimensions
2415,6981 to 2415,6336 on Mechanical 1
2415,6981 to 9655,6990 on Mechanical 1
2415,6990 to 3618,6970 on Mechanical 1

## Text inside footprints (layer, text, board x,y; h text height)
*1: Top Overlay "*" at 5423.56,4779.97 h50; Mechanical 13 "*" at 5469.03,4732 h50
*2: Top Overlay "*" at 5976.5,3300.97 h50; Mechanical 13 "*" at 6021.97,3253 h50
U1: Top Overlay "*" at 4541.75,3710 h50 r180; Mechanical 13 "*" at 4484,3758 h50 r180
U2: Top Overlay "*" at 4543.75,5042 h50 r180; Mechanical 13 "*" at 4486,5090 h50 r180
U5: Top Overlay "*" at 4536,2371 h50 r180; Mechanical 13 "*" at 4478.25,2419 h50 r180